# Altium PCB Electronic Load 20251104.PcbDoc (part 3 of 4)
Units mm, origin at the board's own origin, x right, y up, seen from the top; angles counter-clockwise.
Board outline 206 x 70 mm, 6 copper layers (L1, L2, L3, L4, L5, L6), stack 1.609 mm thick; 684 components, 363 nets, 1727 pads, 147 vias.
Unrouted connection lines stored in the file: 1081.
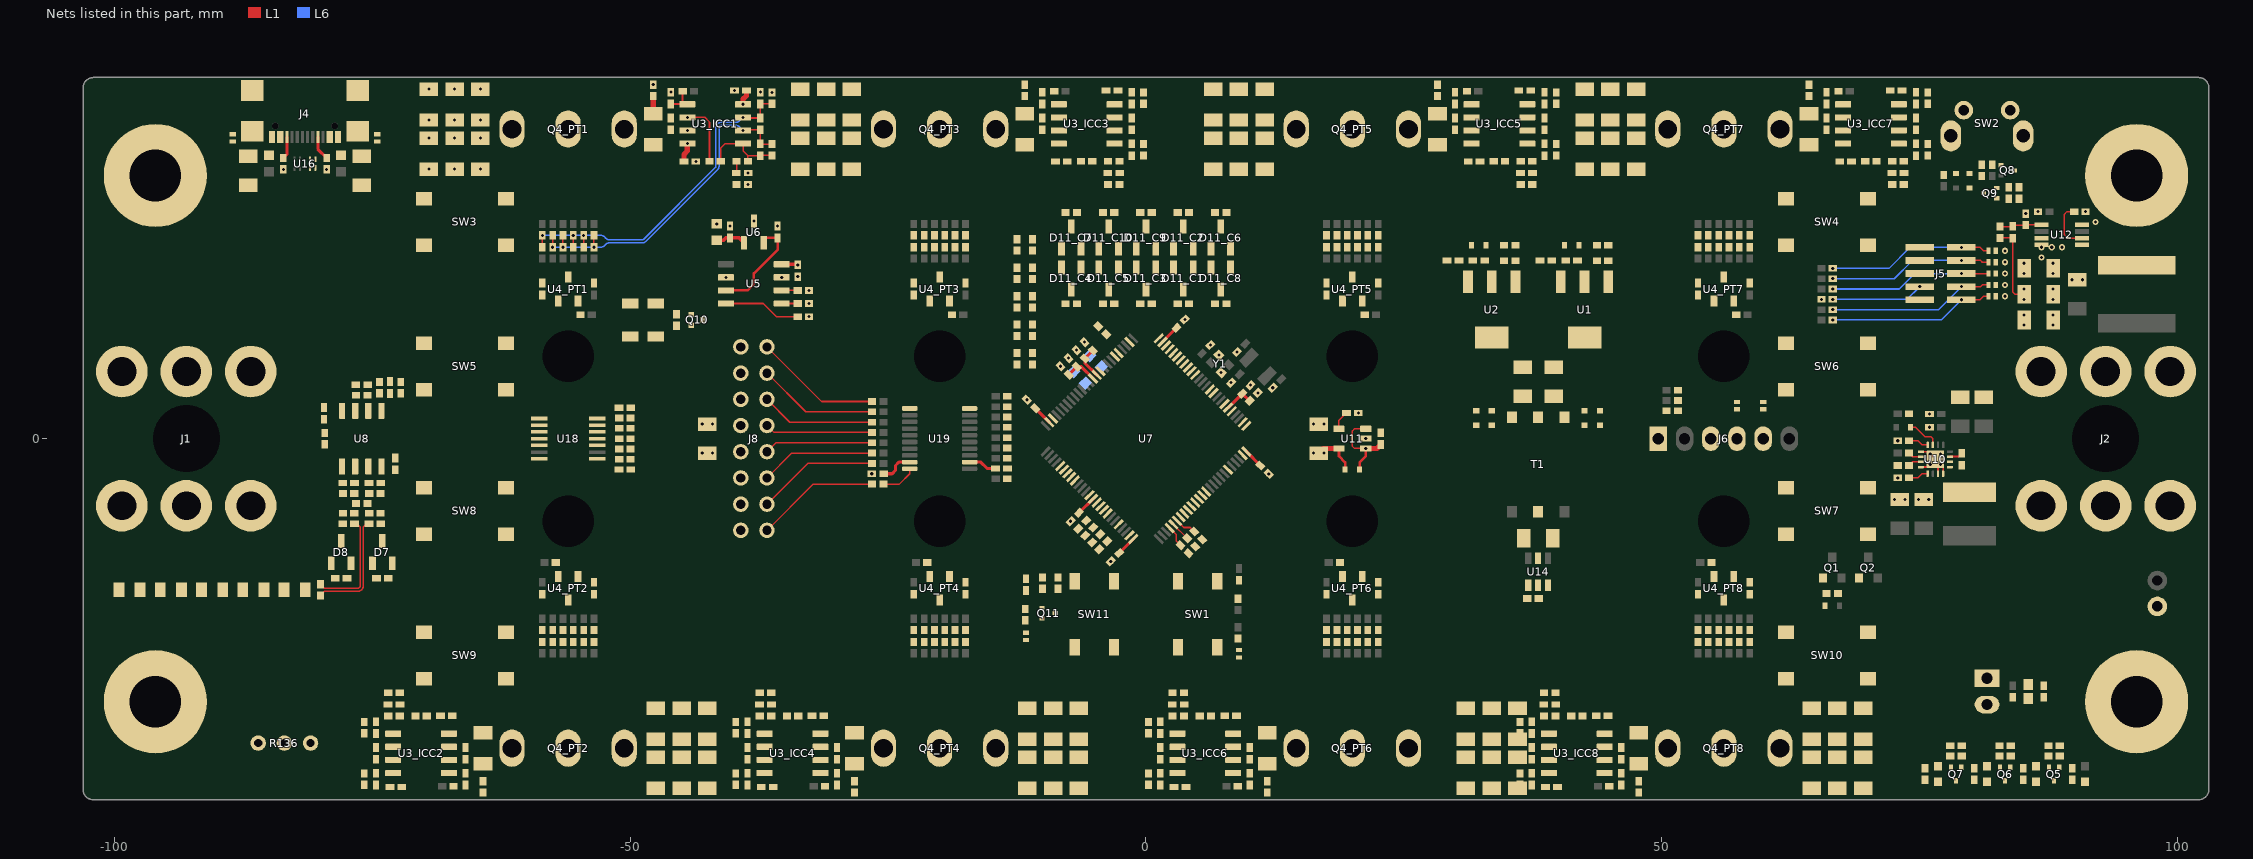
[diagram p4: the nets of this part, all layers, seen from the top]

## Part data (continued)
D20 D21 D22 D23 D24 D25 D26 D27 D28: library part DIODE,TVS,3.3V,SOD882, "20V Clamp 5A (8/20ï¿½s) Ipp Tvs Diode Surface Mount DFN1006-2", Manufacturer 1="Micro Commercial Co", Vendor 1 Part Number=ESDSLC3V3LB-TPMSCT-ND, CreatedBy="Judd Foster", HelpURL=https://www.mccsemi.com/pdf/Products/ESDSLC3V3LB(DFN1006-2).pdf, Manufacturer 1 Part Number=ESDSLC3V3LB-TP, Part Name=DIODE,TVS,3.3V,SOD882, Vendor 1=Digikey
FB1 FB2 FB3 FB4 FB5: library part FERRITE,600R@100MHz,350mA,0603, "500mÎ© Â±25% 600Î©@100MHz 0603 Ferrite Beads and Chips ROHS", Manufacturer 1=TAI-TECH, Manufacturer 1 Part Number=FCM1608KF-601T03, Vendor 1 Part Number=C141723, CreatedBy="Judd Foster", HelpURL=https://www.lcsc.com/datasheet/C141723.pdf, Part Name=FERRITE,600R@100MHz,350mA,0603, Vendor 1=LCSC
J1 J2: library part Term,Screw,M5,Top,Thru, "6 M5 Through Hole Screw Connectors ROHS", Manufacturer 1=XFCN, Vendor 1 Part Number=C19724595, CreatedBy="Judd Foster", HelpURL=https://www.lcsc.com/datasheet/C19724595.pdf, Manufacturer 1 Part Number=TT56145145-1520, Part Name=Term,Screw,M5,Top,Thru, Vendor 1=LCSC
J3: library part Conn,JST,2Pin,2.5mm,RA,Thru, "Connector Header Through Hole, Right Angle 2 position 0.098\" (2.50mm)", Manufacturer 1="JST Sales America Inc.", Vendor 1 Part Number=455-S2B-XH-A-ND, CreatedBy="Judd Foster", HelpURL=https://www.jst-mfg.com/product/pdf/eng/eXH.pdf, Manufacturer 1 Part Number=S2B-XH-A, Part Name=Conn,JST,2Pin,2.5mm,RA,Thru, Vendor 1=DigiKey
J4: library part Conn,USB-C,SMD, "USB-C (USB TYPE-C) USB 2.0 Receptacle Connector 24 (16+8 Dummy) Position Surface Mount, Right Angle", Manufacturer 1=GCT, Vendor 1 Part Number=2073-USB4110-GF-A-1-ND, CreatedBy="Judd Foster", HelpURL=https://gct.co/files/drawings/usb4110.pdf, Manufacturer 1 Part Number=USB4110-GF-A, Part Name=Conn,USB-C,SMD, Vendor 1=Digikey
J5: library part "Term,Header,5x2 Pin,Shroud,1.27mm,SMD", "Connector Header Surface Mount 10 position 0.050\" (1.27mm)", Manufacturer 1="CNC Tech", Vendor 1 Part Number=1175-1735-ND, CreatedBy="Judd Foster", HelpURL=http://www.cnctech.us/pdfs/3221-XX-0300-00_.pdf, Manufacturer 1 Part Number=3221-10-0300-00, Part Name="Term,Header,5x2 Pin,Shroud,1.27mm,SMD", Vendor 1=Digikey
J6: "Connector Header Through Hole 6 position 0.100\" (2.54mm)", Manufacturer 1="WÃ¼rth Elektronik", Manufacturer 1 Part Number=61300611121, Vendor 1 Part Number=732-5319-ND, CreatedBy="Judd Foster", HelpURL=https://www.we-online.com/components/products/datasheet/61300611121.pdf, Part Name="Term,Header,6 Pin,Top,2.54mm", Vendor 1=DigiKey
J7: "Connector Header Through Hole 2 position 0.100\" (2.54mm)", Manufacturer 1="WÃ¼rth Elektronik", Manufacturer 1 Part Number=61300211121, Vendor 1 Part Number=732-5315-ND, CreatedBy="Judd Foster", HelpURL=https://www.we-online.com/components/products/datasheet/61300211121.pdf, Part Name="Term,Header,2 Pin,Top,2.54mm", Vendor 1=DigiKey
J8: library part "Term,Rcpt,2x8 Pin,2.54mm,Top,Thru", "16 Position Header Connector 0.100\" (2.54mm) Through Hole Gold", Manufacturer 1="Sullins Connector Solutions", Vendor 1 Part Number=S7111-ND, CreatedBy="Judd Foster", HelpURL=https://mm.digikey.com/Volume0/opasdata/d220001/medias/docus/937/Female_Headers.100_DS.pdf, Manufacturer 1 Part Number=PPPC082LFBN-RC, Part Name="Term,Rcpt,2x8 Pin,2.54mm,Top,Thru", Vendor 1=DigiKey
L1: library part IND,4.7uH,4A,Wirewound,SMD, "4.7 ÂµH Shielded Drum Core, Wirewound Inductor 4 A 28.6mOhm Max Nonstandard", Manufacturer 1="Taiyo Yuden", Manufacturer 1 Part Number=NRS8030T4R7MJGJ, Vendor 1 Part Number=587-2969-1-ND, CreatedBy="Judd Foster", HelpURL=https://mm.digikey.com/Volume0/opasdata/d220001/medias/docus/610/NRS8030T4R7MJGJ_SS.pdf, Part Name=IND,4.7uH,4A,Wirewound,SMD, Vendor 1=DigiKey
L2: library part IND,1uH,30%,6A,Wirewound,SMD, "VLS6045EX-1R0N", Manufacturer 1=TDK, Vendor 1 Part Number=C404500, CreatedBy="Judd Foster", HelpURL=https://www.lcsc.com/datasheet/C404500.pdf, Manufacturer 1 Part Number=VLS6045EX-1R0N, Part Name=IND,1uH,30%,6A,Wirewound,SMD, Vendor 1=LCSC
NT1_CS1 NT1_CS2 NT1_CS3 NT1_CS4 NT1_CS5 NT1_CS6 NT1_CS7 NT1_CS8 NT2_CS1 NT2_CS2 NT2_CS3 NT2_CS4 NT2_CS5 NT2_CS6 NT2_CS7 NT2_CS8 NT3_CS1 NT3_CS2 NT3_CS3 NT3_CS4 NT3_CS5 NT3_CS6 NT3_CS7 NT3_CS8 NT4_CS1 NT4_CS2 NT4_CS3 NT4_CS4 NT4_CS5 NT4_CS6 NT4_CS7 NT4_CS8 NT5_CS1 NT5_CS2 NT5_CS3 NT5_CS4 NT5_CS5 NT5_CS6 NT5_CS7 NT5_CS8 NT6_CS1 NT6_CS2 NT6_CS3 NT6_CS4 NT6_CS5 NT6_CS6 NT6_CS7 NT6_CS8 NT7_CS1 NT7_CS2 NT7_CS3 NT7_CS4 NT7_CS5 NT7_CS6 NT7_CS7 NT7_CS8 NT8_CS1 NT8_CS2 NT8_CS3 NT8_CS4 NT8_CS5 NT8_CS6 NT8_CS7 NT8_CS8 NT9_CS1 NT9_CS2 NT9_CS3 NT9_CS4 NT9_CS5 NT9_CS6 NT9_CS7 NT9_CS8 NT10_CS1 NT10_CS2 NT10_CS3 NT10_CS4 NT10_CS5 NT10_CS6 NT10_CS7 NT10_CS8 NT11_CS1 NT11_CS2 NT11_CS3 NT11_CS4 NT11_CS5 NT11_CS6 NT11_CS7 NT11_CS8 NT12_CS1 NT12_CS2 NT12_CS3 NT12_CS4 NT12_CS5 NT12_CS6 NT12_CS7 NT12_CS8: library part NETTIE,150X300UM, "Net Tie", Manufacturer 1=N/A, CreatedBy="Judd Foster", HelpURL=N/A, Manufacturer 1 Part Number=N/A, Part Name=NETTIE,150X300UM, Vendor 1=N/A, Vendor 1 Part Number=N/A
Q1 Q2: library part "MOSFET,P Ch,30V,3.8A", "P-Channel 30 V 3.8A (Ta) 1.08W (Ta) Surface Mount SOT-23-3", Manufacturer 1="Diodes Incorporated", Vendor 1 Part Number=DMP3099L-7DICT-ND, CreatedBy="Judd Foster", HelpURL=https://www.diodes.com/assets/Datasheets/DMP3099L.pdf, Manufacturer 1 Part Number=DMP3099L-7, Part Name="MOSFET,P Ch,30V,3.8A", Vendor 1=Digikey
Q4_PT1 Q4_PT2 Q4_PT3 Q4_PT4 Q4_PT5 Q4_PT6 Q4_PT7 Q4_PT8: library part "MOSFET,N Ch,650V,66A", "650V 66A 313W 34mÎ©@10V 4V@1mA 1 N-Channel TO-247 Single FETs, MOSFETs ROHS", Manufacturer 1=GOSEMICON, Vendor 1 Part Number=C5451736, CreatedBy="Judd Foster", HelpURL=https://www.lcsc.com/datasheet/C5451736.pdf, Manufacturer 1 Part Number=GBS65041TOB, Part Name="MOSFET,N Ch,650V,66A", Vendor 1=LCSC
Q5 Q6 Q7 Q9 Q11: library part Trans,NPN,40V,600mA,SOT523, "Bipolar (BJT) Transistor NPN 40 V 600 mA 300MHz 150 mW Surface Mount SOT-523", Manufacturer 1="Diodes Incorporated", Vendor 1 Part Number=MMBT2222AT-FDICT-ND, CreatedBy="Judd Foster", HelpURL=https://media.digikey.com/pdf/Data%20Sheets/Diodes%20PDFs/MMBT2222AT_Rev2016.pdf, Manufacturer 1 Part Number=MMBT2222AT-7-F, Part Name=Trans,NPN,40V,600mA,SOT523, Vendor 1=Digikey
Q8: library part Trans,PNP,40V,600mA,SOT523, "Bipolar (BJT) Transistor PNP 40 V 600 mA 200MHz 150 mW Surface Mount SOT-523", Manufacturer 1="Diodes Incorporated", Vendor 1 Part Number=MMBT4403T-FDICT-ND, CreatedBy="Judd Foster", HelpURL=https://www.diodes.com/assets/Datasheets/ds30273.pdf, Manufacturer 1 Part Number=MMBT4403T-7-F, Part Name=Trans,PNP,40V,600mA,SOT523, Vendor 1=Digikey
Q10: library part "MOSFET,P Ch,20V,830mA", "P-Channel 20 V 830mA (Ta) 625mW (Ta) Surface Mount SC-89-3", Manufacturer 1=onsemi, Vendor 1 Part Number=FDY102PZCT-ND, CreatedBy="Judd Foster", HelpURL=https://rocelec.widen.net/view/pdf/hh954mlmw6/FAIR-S-A0000083184-1.pdf?t.download=true&u=5oefqw, Manufacturer 1 Part Number=FDY102PZ, Part Name="MOSFET,P Ch,20V,830mA", Vendor 1=Digikey
R1_ICC1 R1_ICC2 R1_ICC3 R1_ICC4 R1_ICC5 R1_ICC6 R1_ICC7 R1_ICC8 R84 R113 R116 R122 R172 R182: library part RES,0R0,0402, "0 Ohms Jumper 0.1W, 1/10W Chip Resistor 0402 (1005 Metric) Automotive AEC-Q200 Thick Film", Manufacturer 1="Panasonic Electronic Components", Manufacturer 1 Part Number=ERJ-2GE0R00X, Vendor 1 Part Number=P0.0JCT-ND, CreatedBy="Judd Foster", HelpURL=https://industrial.panasonic.com/cdbs/www-data/pdf/RDA0000/AOA0000C301.pdf, Part Name=RES,0R0,0402, Vendor 1=Digikey
R2_ICC1 R2_ICC2 R2_ICC3 R2_ICC4 R2_ICC5 R2_ICC6 R2_ICC7 R2_ICC8 R16 R180: library part RES,Omit,0402, Manufacturer 1=N/A, CreatedBy="Judd Foster", HelpURL=N/A, Manufacturer 1 Part Number=N/A, Part Name=RES,Omit,0402, Vendor 1=N/A, Vendor 1 Part Number=N/A
R3_ICC1 R3_ICC2 R3_ICC3 R3_ICC4 R3_ICC5 R3_ICC6 R3_ICC7 R3_ICC8 R4_ICC1 R4_ICC2 R4_ICC3 R4_ICC4 R4_ICC5 R4_ICC6 R4_ICC7 R4_ICC8 R7_ICC1 R7_ICC2 R7_ICC3 R7_ICC4 R7_ICC5 R7_ICC6 R7_ICC7 R7_ICC8 R8_ICC1 R8_ICC2 R8_ICC3 R8_ICC4 R8_ICC5 R8_ICC6 R8_ICC7 R8_ICC8 R11 R13 R14 R15 R17 R26_ICC1 R26_ICC2 R26_ICC3 R26_ICC4 R26_ICC5 R26_ICC6 R26_ICC7 R26_ICC8 R27_ICC1 R27_ICC2 R27_ICC3 R27_ICC4 R27_ICC5 R27_ICC6 R27_ICC7 R27_ICC8 R28_ICC1 R28_ICC2 R28_ICC3 R28_ICC4 R28_ICC5 R28_ICC6 R28_ICC7 R28_ICC8 R29_ICC1 R29_ICC2 R29_ICC3 R29_ICC4 R29_ICC5 R29_ICC6 R29_ICC7 R29_ICC8 R31_ICC1 R31_ICC2 R31_ICC3 R31_ICC4 R31_ICC5 R31_ICC6 R31_ICC7 R31_ICC8 R32_ICC1 R32_ICC2 R32_ICC3 R32_ICC4 R32_ICC5 R32_ICC6 R32_ICC7 R32_ICC8 R35_ICC1 R35_ICC2 R35_ICC3 R35_ICC4 R35_ICC5 R35_ICC6 R35_ICC7 R35_ICC8 R36_ICC1 R36_ICC2 R36_ICC3 R36_ICC4 R36_ICC5 R36_ICC6 R36_ICC7 R36_ICC8 R103: library part RES,1k,0.1%,0.063W,0402, "1 kOhms Â±0.1% 0.063W, 1/16W Chip Resistor 0402 (1005 Metric) Thin Film", Manufacturer 1=YAGEO, Manufacturer 1 Part Number=RT0402BRE071KL, Vendor 1 Part Number=YAG2306CT-ND, CreatedBy="Judd Foster", HelpURL=https://www.yageo.com/upload/media/product/app/datasheet/rchip/pyu-rt_1-to-0.01_rohs_l.pdf, Part Name=RES,1k,0.1%,0.063W,0402, Vendor 1=DigiKey
R5_CS1 R5_CS2 R5_CS3 R5_CS4 R5_CS5 R5_CS6 R5_CS7 R5_CS8 R6_CS1 R6_CS2 R6_CS3 R6_CS4 R6_CS5 R6_CS6 R6_CS7 R6_CS8 R64_CS1 R64_CS2 R64_CS3 R64_CS4 R64_CS5 R64_CS6 R64_CS7 R64_CS8 R67_CS1 R67_CS2 R67_CS3 R67_CS4 R67_CS5 R67_CS6 R67_CS7 R67_CS8 R70_CS1 R70_CS2 R70_CS3 R70_CS4 R70_CS5 R70_CS6 R70_CS7 R70_CS8 R73_CS1 R73_CS2 R73_CS3 R73_CS4 R73_CS5 R73_CS6 R73_CS7 R73_CS8: library part RES,0R02,1%,0.33W,1206, "333mW 20mÎ© 200V Â±1000ppm/â„ƒ Thick Film Resistor Â±1% 1206 Chip Resistor - Surface Mount ROHS", Manufacturer 1=UNI-ROYAL, Manufacturer 1 Part Number=1206W3F200MT5E, Vendor 1 Part Number=C2765435, CreatedBy="Judd Foster", HelpURL=https://www.lcsc.com/datasheet/C2765435.pdf, Part Name=RES,0R02,1%,0.33W,1206, Vendor 1=LCSC
R9 R117 R176 R178 R179 R181: library part RES,100k,1%,0.063W,0402, "100 kOhms Â±1% 0.063W, 1/16W Chip Resistor 0402 (1005 Metric) Moisture Resistant Thick Film", Manufacturer 1=YAGEO, Manufacturer 1 Part Number=RC0402FR-07100KL, Vendor 1 Part Number=311-100KLRCT-ND, CreatedBy="Judd Foster", HelpURL=https://www.yageo.com/upload/media/product/products/datasheet/rchip/PYu-RC_Group_51_RoHS_L_12.pdf, Part Name=RES,100k,1%,0.063W,0402, Vendor 1=DigiKey
R10 R12 R101: library part RES,10k,0.1%,0.063W,0402, "10 kOhms ï¿½0.1% 0.1W, 1/10W Chip Resistor 0402 (1005 Metric) Automotive AEC-Q200 Thin Film", Manufacturer 1="Stackpole Electronics Inc", Manufacturer 1 Part Number=RNCF0402BTE10K0, Vendor 1 Part Number=RNCF0402BTE10K0CT-ND, CreatedBy="Judd Foster", HelpURL=https://www.seielect.com/catalog/sei-rncf.pdf, Part Name=RES,10k,0.1%,0.063W,0402, Vendor 1=Digikey
R25_ICC1 R25_ICC2 R25_ICC3 R25_ICC4 R25_ICC5 R25_ICC6 R25_ICC7 R25_ICC8 R34_ICC1 R34_ICC2 R34_ICC3 R34_ICC4 R34_ICC5 R34_ICC6 R34_ICC7 R34_ICC8: library part RES,6k81,0.1%,0.063W,0402, "6.81kÎ© 62.5mW 50V Â±25ppm/â„ƒ Thin Film Resistor Â±0.1% 0402 Chip Resistor - Surface Mount RoHS", Manufacturer 1=YAGEO, Manufacturer 1 Part Number=AT0402BRD076K81L, Vendor 1 Part Number=C851098, CreatedBy="Judd Foster", HelpURL=https://www.lcsc.com/datasheet/C851098.pdf, Part Name=RES,6k81,0.1%,0.063W,0402, Vendor 1=LCSC
R30_ICC1 R30_ICC2 R30_ICC3 R30_ICC4 R30_ICC5 R30_ICC6 R30_ICC7 R30_ICC8 R33_ICC1 R33_ICC2 R33_ICC3 R33_ICC4 R33_ICC5 R33_ICC6 R33_ICC7 R33_ICC8 R82_PT1 R82_PT2 R82_PT3 R82_PT4 R82_PT5 R82_PT6 R82_PT7 R82_PT8 R88 R89 R90 R91 R92 R93 R94 R119 R120 R121 R153 R154 R155 R156 R157 R158 R159 R160 R161 R162 R163 R165 R166 R167 R183 R184: library part RES,10k,5%,0.063W,0402, "10 kOhms ï¿½5% 0.063W, 1/16W Chip Resistor 0402 (1005 Metric) Automotive AEC-Q200 Thick Film", Manufacturer 1="Stackpole Electronics Inc", Manufacturer 1 Part Number=RMCF0402JT10K0, Vendor 1 Part Number=RMCF0402JT10K0CT-ND, CreatedBy="Judd Foster", HelpURL=https://www.seielect.com/catalog/sei-rmcf_rmcp.pdf, Part Name=RES,10k,5%,0.063W,0402, Vendor 1=DIgikey
R81_PT1 R81_PT2 R81_PT3 R81_PT4 R81_PT5 R81_PT6 R81_PT7 R81_PT8: library part RES,0R0,1206, "0 Ohms Jumper Chip Resistor 1206 (3216 Metric) Automotive AEC-Q200 Thick Film", Manufacturer 1="Stackpole Electronics Inc", Manufacturer 1 Part Number=RMCF1206ZT0R00, Vendor 1 Part Number=RMCF1206ZT0R00CT-ND, CreatedBy="Judd Foster", HelpURL=https://www.seielect.com/catalog/sei-rmcf_rmcp.pdf, Part Name=RES,0R0,1206, Vendor 1=Digikey
R83_PT1 R83_PT2 R83_PT3 R83_PT4 R83_PT5 R83_PT6 R83_PT7 R83_PT8 R111_C1 R111_C2 R111_C3 R111_C4 R111_C5 R111_C6 R111_C7 R111_C8 R111_C9 R111_C10 R128: library part RES,1k,5%,0.063W,0402, "1 kOhms ï¿½5% 0.063W, 1/16W Chip Resistor 0402 (1005 Metric) Automotive AEC-Q200 Thick Film", Manufacturer 1="Stackpole Electronics Inc", Manufacturer 1 Part Number=RMCF0402JT1K00, Vendor 1 Part Number=RMCF0402JT1K00CT-ND, CreatedBy="Judd Foster", HelpURL=https://www.seielect.com/catalog/sei-rmcf_rmcp.pdf, Part Name=RES,1k,5%,0.063W,0402, Vendor 1=DIgikey
R85: library part RES,750R,1%,0.063W,0402, "750Î© 62.5mW 50V Â±100ppm/â„ƒ Thick Film Resistor Â±1% 0402 Chip Resistor - Surface Mount ROHS", Manufacturer 1=UNI-ROYAL, Manufacturer 1 Part Number=0402WGF7500TCE, Vendor 1 Part Number=C25132, CreatedBy="Judd Foster", HelpURL=https://www.lcsc.com/datasheet/C25132.pdf, Part Name=RES,750R,1%,0.063W,0402, Vendor 1=LCSC
R86: library part RES,300R,1%,0.063W,0402, "300Î© 62.5mW 50V Â±100ppm/â„ƒ Thick Film Resistor Â±1% 0402 Chip Resistor - Surface Mount ROHS", Manufacturer 1=UNI-ROYAL, Manufacturer 1 Part Number=0402WGF3000TCE, Vendor 1 Part Number=C25102, CreatedBy="Judd Foster", HelpURL=https://www.lcsc.com/datasheet/C25102.pdf, Part Name=RES,300R,1%,0.063W,0402, Vendor 1=LCSC
R87: library part RES,270R,1%,0.063W,0402, "62.5mW Thick Film Resistor 50V Â±100ppm/â„ƒ Â±1% 270Î© 0402 Chip Resistor - Surface Mount ROHS", Manufacturer 1=YAGEO, Manufacturer 1 Part Number=RC0402FR-07270RL, Vendor 1 Part Number=C163474, CreatedBy="Judd Foster", HelpURL=https://www.lcsc.com/datasheet/C163474.pdf, Part Name=RES,270R,1%,0.063W,0402, Vendor 1=LCSC
R95 R164 R168 R169 R170 R171 R173 R174 R175: library part RES,10R,1%,0.063W,0402, "10 Ohms ï¿½1% 0.063W, 1/16W Chip Resistor 0402 (1005 Metric) Automotive AEC-Q200 Thick Film", Manufacturer 1="Panasonic Electronic Components", Manufacturer 1 Part Number=ERJ-2RKF10R0X, Vendor 1 Part Number=P10.0LCT-ND, CreatedBy="Judd Foster", HelpURL=https://industrial.panasonic.com/cdbs/www-data/pdf/RDA0000/AOA0000C304.pdf, Part Name=RES,10R,1%,0.063W,0402, Vendor 1=Digikey
R96 R97 R98 R99 R100: library part RES,442k,0.1%,0.125W,0805, "442 kOhms Â±0.1% 0.125W, 1/8W Chip Resistor 0805 (2012 Metric) Automotive AEC-Q200 Thin Film", Manufacturer 1="Panasonic Electronic Components", Manufacturer 1 Part Number=ERA-6AEB4423V, Vendor 1 Part Number=P442KDACT-ND, CreatedBy="Judd Foster", HelpURL=https://industrial.panasonic.com/cdbs/www-data/pdf/RDM0000/AOA0000C307.pdf, Part Name=RES,442k,0.1%,0.125W,0805, Vendor 1=DigiKey
R112_C1 R112_C2 R112_C3 R112_C4 R112_C5 R112_C6 R112_C7 R112_C8 R112_C9 R112_C10 R131 R133 R134 R135 R137 R138 R139 R140 R141 R142 R143 R144 R145 R146 R147 R148 R149 R150 R151 R152: library part RES,49R9,1%,0.063W,0402, "49.9 Ohms Â±1% 0.063W, 1/16W Chip Resistor 0402 (1005 Metric) Moisture Resistant Thick Film", Manufacturer 1=YAGEO, Manufacturer 1 Part Number=RC0402FR-0749R9L, Vendor 1 Part Number=311-49.9LRCT-ND, CreatedBy="Judd Foster", HelpURL=https://www.yageo.com/upload/media/product/products/datasheet/rchip/PYu-RC_Group_51_RoHS_L_12.pdf, Part Name=RES,49R9,1%,0.063W,0402, Vendor 1=DigiKey
R114: library part RES,4k42,1%,0.063W,0402, "62.5mW 4.42kÎ© 50V Â±100ppm/â„ƒ Thick Film Resistor Â±1% 0402 Chip Resistor - Surface Mount ROHS", Manufacturer 1=FOJAN, Manufacturer 1 Part Number=FRC0402F4421TS, Vendor 1 Part Number=C3013170, CreatedBy="Judd Foster", HelpURL=https://www.lcsc.com/datasheet/C3013170.pdf, Part Name=RES,4k42,1%,0.063W,0402, Vendor 1=LCSC
R115: library part RES,13k2,1%,0.063W,0402, "13.2 kOhms Â±1% 0.063W, 1/16W Chip Resistor 0402 (1005 Metric) Automotive AEC-Q200, Moisture Resistant Metal Film", Manufacturer 1="KOA Speer Electronics, Inc.", Manufacturer 1 Part Number=RN73H1ETTP1322F25, Vendor 1 Part Number=2019-RN73H1ETTP1322F25CT-ND, CreatedBy="Judd Foster", HelpURL=https://www.koaspeer.com/pdfs/RN73H.pdf, Part Name=RES,13k2,1%,0.063W,0402, Vendor 1=DigiKey
R118: library part RES,21k5,1%,0.063W,0402, "21.5kÎ© 62.5mW 50V Â±100ppm/â„ƒ Thick Film Resistor Â±1% 0402 Chip Resistor - Surface Mount ROHS", Manufacturer 1=FOJAN, Manufacturer 1 Part Number=FRC0402F2152TS, Vendor 1 Part Number=C2933081, CreatedBy="Judd Foster", HelpURL=https://www.lcsc.com/datasheet/C2933081.pdf, Part Name=RES,21k5,1%,0.063W,0402, Vendor 1=LCSC
R123: library part RES,1k62,1%,0.063W,0402, "1.62 kOhms Â±1% 0.063W, 1/16W Chip Resistor 0402 (1005 Metric) Moisture Resistant Thick Film", Manufacturer 1=YAGEO, Manufacturer 1 Part Number=RC0402FR-071K62L, Vendor 1 Part Number=YAG3042CT-ND, CreatedBy="Judd Foster", HelpURL=https://www.yageo.com/upload/media/product/products/datasheet/rchip/PYu-RC_Group_51_RoHS_L_12.pdf, Part Name=RES,1k62,1%,0.063W,0402, Vendor 1=DigiKey
R124: library part RES,Thermistor,NTC,10k,3380K,0603, "10kÎ© 100mW Â±1% 310uA 3380K Â±1% 0603 NTC Thermistors ROHS", Manufacturer 1=Murata, Manufacturer 1 Part Number=NCP18XH103F03RB, Vendor 1 Part Number=C13564, CreatedBy="Judd Foster", HelpURL=https://www.lcsc.com/datasheet/C13564.pdf, Part Name=RES,Thermistor,NTC,10k,3380K,0603, Vendor 1=LCSC
R125 R127: library part RES,330R,1%,0.063W,0402, "330 Ohms Â±1% 0.063W, 1/16W Chip Resistor 0402 (1005 Metric) Moisture Resistant Thick Film", Manufacturer 1=YAGEO, Manufacturer 1 Part Number=RC0402FR-07330RL, Vendor 1 Part Number=311-330LRCT-ND, CreatedBy="Judd Foster", HelpURL=https://www.yageo.com/upload/media/product/products/datasheet/rchip/PYu-RC_Group_51_RoHS_L_12.pdf, Part Name=RES,330R,1%,0.063W,0402, Vendor 1=DigiKey
R126: library part RES,3k6,1%,0.063W,0402, "62.5mW 3.6kÎ© 50V Â±100ppm/â„ƒ Thick Film Resistor Â±1% 0402 Chip Resistor - Surface Mount ROHS", Manufacturer 1=FOJAN, Manufacturer 1 Part Number=FRC0402F3601TS, Vendor 1 Part Number=C2998073, CreatedBy="Judd Foster", HelpURL=https://www.lcsc.com/datasheet/C2998073.pdf, Part Name=RES,3k6,1%,0.063W,0402, Vendor 1=LCSC
R129 R130: library part RES,5k11,1%,0.063W,0402, "5.11 kOhms ï¿½1% 0.063W, 1/16W Chip Resistor 0402 (1005 Metric) Automotive AEC-Q200, Moisture Resistant Thick Film", Manufacturer 1=Yageo, Manufacturer 1 Part Number=AC0402FR-075K11L, Vendor 1 Part Number=13-AC0402FR-075K11LCT-ND, CreatedBy="Judd Foster", HelpURL=https://www.yageo.com/upload/media/product/productsearch/datasheet/rchip/PYu-AC_51_RoHS_L_7.pdf, Part Name=RES,5k11,1%,0.063W,0402, Vendor 1=Digikey
R132 R185: library part RES,100R,1%,0.25W,1206, "100 Ohms Â±1% 0.25W, 1/4W Chip Resistor 1206 (3216 Metric) Automotive AEC-Q200 Thick Film", Manufacturer 1="Stackpole Electronics Inc", Manufacturer 1 Part Number=RMCF1206FT100R, Vendor 1 Part Number=RMCF1206FT100RCT-ND, CreatedBy="Judd Foster", HelpURL=https://www.seielect.com/catalog/sei-rmcf_rmcp.pdf, Part Name=RES,100R,1%,0.25W,1206, Vendor 1=DigiKey
R136: library part RES,Trimmer,25T,10k,Thru, "Â±10% Â±100ppm/â„ƒ 500mW 10kÎ© SIP-3P,9.5x4.8mm Trimmer Potentiometers ROHS", Manufacturer 1=Bourns, Manufacturer 1 Part Number=3296W-1-103LF, Vendor 1 Part Number=C34846, CreatedBy="Judd Foster", HelpURL=https://www.lcsc.com/datasheet/C34846.pdf, Part Name=RES,Trimmer,25T,10k,Thru, Vendor 1=LCSC
R177: library part RES,750k,1%,0.063W,0402, "750 kOhms ï¿½1% 0.063W, 1/16W Chip Resistor 0402 (1005 Metric) Moisture Resistant Thick Film", Manufacturer 1=YAGEO, Manufacturer 1 Part Number=RC0402FR-07750KL, Vendor 1 Part Number=YAG3228CT-ND, CreatedBy="Judd Foster", HelpURL=https://www.yageo.com/upload/media/product/app/datasheet/rchip/pyu-rc_group_51_rohs_l.pdf, Part Name=RES,750k,1%,0.063W,0402, Vendor 1=Digikey
SW1 SW11: library part Switch,Tactile,SPST-NO,SMD,H1.5, "Tactile Switch SPST-NO Top Actuated Surface Mount", Manufacturer 1=C&K, Vendor 1 Part Number=CKN9104CT-ND, CreatedBy="Judd Foster", HelpURL=https://www.ckswitches.com/media/1467/pts525.pdf, Manufacturer 1 Part Number="PTS525SM15SMTR2 LFS", Part Name=Switch,Tactile,SPST-NO,SMD,H1.5, Vendor 1=Digikey
SW2: library part Switch,Tactile,SPST-NO,RA,Thru, "24V With Bracket Round Button SPST 50mA Through Hole Tactile Switches RoHS", Manufacturer 1="TE Connectivity", Vendor 1 Part Number=C2928196, CreatedBy="Judd Foster", HelpURL=https://www.lcsc.com/datasheet/C2928196.pdf, Manufacturer 1 Part Number=1825027-6, Part Name=Switch,Tactile,SPST-NO,RA,Thru, Vendor 1=LCSC
SW3 SW4 SW5 SW6 SW7 SW8 SW9 SW10: library part Switch,Tactile,SPST-NO,SMD,H4.3, "Tactile Switch SPST-NO Top Actuated Surface Mount", Manufacturer 1=C&K, Vendor 1 Part Number=CKN9084CT-ND, CreatedBy="Judd Foster", HelpURL=https://www.ckswitches.com/media/1471/pts645.pdf, Manufacturer 1 Part Number="PTS645SK43SMTR92 LFS", Part Name=Switch,Tactile,SPST-NO,SMD,H4.3, Vendor 1=Digikey
T1: library part XFR,1-3.91,Lp=320uH,750317722, "Push-Pull Converters For For DC/DC Converters SMPS Transformer 2500V Isolation 350 ~ 550kHz Surface Mount", Manufacturer 1="Wurth Elektronik", Part Name=XFR,1-3.91,Lp=320uH,750317722, Vendor 1 Part Number=732-750317722CT-ND, CreatedBy="Judd Foster", HelpURL=https://www.we-online.com/components/products/datasheet/750317722_valid_from_2025-12-17.pdf, Manufacturer 1 Part Number=750317722, Vendor 1=DigiKey
U1: library part LM317EMPX_NOPB, "80dB@(120Hz) Positive Adjustable 1.25V~37V SOT-223-4 Voltage Regulators - Linear, Low Drop Out (LDO) Regulators RoHS", Manufacturer 1="Texas Instruments", Vendor 1 Part Number=C352843, CreatedBy="Judd Foster", HelpURL=https://www.lcsc.com/datasheet/C352843.pdf, Manufacturer 1 Part Number=LM317EMPX/NOPB, Part Name=LM317EMPX_NOPB, Vendor 1=LCSC
U2: library part LM337IMPX_NOPB, "Linear Voltage Regulator IC Negative Adjustable 1 Output 1.5A SOT-223-4", Manufacturer 1="Texas Instruments", Vendor 1 Part Number=LM337IMPX/NOPBCT-ND, CreatedBy="Judd Foster", HelpURL=https://www.ti.com/lit/ds/symlink/lm137.pdf?HQS=dis-dk-null-digikeymode-dsf-pf-null-wwe&ts=1743290709590&ref_url=https%253A%252F%252Fwww.ti.com%252Fgeneral%252Fdocs%252Fsuppproductinfo.tsp%253FdistId%253D10%2526gotoUrl%253Dhttps%253A%252F%252Fwww.ti.com%2, Manufacturer 1 Part Number=LM337IMPX/NOPB, Part Name=LM337IMPX_NOPB, Vendor 1=DigiKey
U3_ICC1 U3_ICC2 U3_ICC3 U3_ICC4 U3_ICC5 U3_ICC6 U3_ICC7 U3_ICC8 U8: "35uV 18MHz 4.5nA 6.4V/us 130dB SOIC-8 Amplifiers ROHS", Manufacturer 1="Texas Instruments", Vendor 1 Part Number=C2057330, CreatedBy="Judd Foster", HelpURL=https://www.lcsc.com/datasheet/C2057330.pdf, Manufacturer 1 Part Number=OPA2209AIDR, Part Name=OPA2209AIDR, Vendor 1=LCSC
U4_PT1 U4_PT2 U4_PT3 U4_PT4 U4_PT5 U4_PT6 U4_PT7 U4_PT8: "Temperature Sensor Analog, Local -10ï¿½C ~ 125ï¿½C 19.5mV/ï¿½C SOT-23-3", Manufacturer 1="Microchip Technology", Vendor 1 Part Number=MCP9701AT-E/TTCT-ND, CreatedBy="Judd Foster", HelpURL=https://ww1.microchip.com/downloads/en/DeviceDoc/20001942G.pdf, Manufacturer 1 Part Number=MCP9701AT-E/TT, Part Name=MCP9701AT-E/TT, Vendor 1=Digikey
U5: "16 Bit Digital to Analog Converter 1 8-SOIC", Manufacturer 1="Texas Instruments", Vendor 1 Part Number=296-21738-5-ND, CreatedBy="Judd Foster", HelpURL=https://www.ti.com/lit/ds/symlink/dac8830.pdf?HQS=dis-dk-null-digikeymode-dsf-pf-null-wwe&ts=1758462298577&ref_url=https%253A%252F%252Fwww.ti.com%252Fgeneral%252Fdocs%252Fsuppproductinfo.tsp%253FdistId%253D10%2526gotoUrl%253Dhttps%253A%252F%252Fwww.ti.com, Manufacturer 1 Part Number=DAC8830ID, Part Name=DAC8830ID, Vendor 1=DigiKey
U6: "3V ï¿½0.2% 3.05V~5.5V 25mA Fixed SOT-23 Voltage References ROHS", Manufacturer 1="Texas Instruments", Vendor 1 Part Number=C38423, CreatedBy="Judd Foster", HelpURL=https://www.ti.com/lit/ds/symlink/ref3030.pdf?ts=1702271215532&ref_url=https%253A%252F%252Fwww.ti.com%252Fproduct%252FREF3030%252Fpart-details%252FREF3030AIDBZR, Manufacturer 1 Part Number=REF3030AIDBZR, Part Name=REF3030AIDBZR, Vendor 1=LCSC
U7: "ARM Cortex-M Series 170MHz 86 LQFP-100(14x14) Microcontrollers ROHS", Manufacturer 1="ST Microelectronics", Vendor 1 Part Number=C431632, CreatedBy="Judd Foster", HelpURL=https://www.st.com/en/microcontrollers-microprocessors/stm32g474ve.html, Manufacturer 1 Part Number=STM32G474VET6, Part Name=STM32G474VET6, Vendor 1=LCSC
U10: "Charger IC Lithium Ion/Polymer 16-WQFN (3x3)", Manufacturer 1="Texas Instruments", Vendor 1 Part Number=296-BQ25303JRTERCT-ND, CreatedBy="Judd Foster", HelpURL=https://www.ti.com/lit/ds/symlink/bq25303j.pdf?HQS=dis-dk-null-digikeymode-dsf-pf-null-wwe&ts=1761554135734, Manufacturer 1 Part Number=BQ25303JRTER, Part Name=BQ25303JRTER, Vendor 1=DigiKey
U11: "70dB@(10kHz) Positive Fixed 3.3V SOT-23-5 Voltage Regulators - Linear, Low Drop Out (LDO) Regulators ROHS", Manufacturer 1="Texas Instruments", Vendor 1 Part Number=C9840, CreatedBy="Judd Foster", HelpURL=https://www.lcsc.com/datasheet/C9840.pdf, Manufacturer 1 Part Number=TPS79333DBVR, Part Name=TPS79333DBVR, Vendor 1=LCSC
U12: "Boost Switching Regulator IC Positive Adjustable 2.5V 1 Output 1A 8-TSSOP, 8-MSOP (0.118\", 3.00mm Width)", Manufacturer 1="Diodes Incorporated", Vendor 1 Part Number=PAM2401SCADJDICT-ND, CreatedBy="Judd Foster", HelpURL=https://www.diodes.com/assets/Datasheets/PAM2401.pdf, Manufacturer 1 Part Number=PAM2401SCADJ, Part Name=PAM2401SCADJ, Vendor 1=DigiKey
U14: "Transformer Driver PMIC SOT-23-6", Manufacturer 1="Texas Instruments", Vendor 1 Part Number=296-47311-1-ND, CreatedBy="Judd Foster", HelpURL=https://www.ti.com/general/docs/suppproductinfo.tsp?distId=10&gotoUrl=https%3A%2F%2Fwww.ti.com%2Flit%2Fgpn%2Fsn6505a, Manufacturer 1 Part Number=SN6505BDBVR, Part Name=SN6505BDBVR, Vendor 1=DigiKey
U16: "2.5A@8/20us 14V 40W@8/20us 6.5V Unidirectional 5.5V USON-10(1x2.5) TVS Diodes ROHS", Manufacturer 1="Texas Instruments", Vendor 1 Part Number=C138714, CreatedBy="Judd Foster", HelpURL=https://www.lcsc.com/datasheet/C138714.pdf, Manufacturer 1 Part Number=TPD4E05U06DQAR, Part Name=TPD4E05U06DQAR, Vendor 1=LCSC
U18: "General Purpose Amplifier Circuit Rail-to-Rail 8-VSSOP", Manufacturer 1="Texas Instruments", Vendor 1 Part Number=296-TXU0104PWRCT-ND, CreatedBy="Judd Foster", HelpURL=http://www.ti.com/general/docs/suppproductinfo.tsp?distId=10&gotoUrl=http%3A%2F%2Fwww.ti.com%2Flit%2Fgpn%2FTXU0104, Manufacturer 1 Part Number=TXU0104PWR, Part Name=TXU0104PWR, Vendor 1=Digikey
U19: "100Mbps 1 8 TSSOP-20 Translators, Level Shifters ROHS", Manufacturer 1="Texas Instruments", Vendor 1 Part Number=C53406, CreatedBy="Judd Foster", HelpURL=https://www.lcsc.com/datasheet/C53406.pdf, Manufacturer 1 Part Number=TXB0108PWR, Part Name=TXB0108PWR, Vendor 1=LCSC
Y1: library part XTAL,24MHz,8pF,SMD, "SMD2016-4P Crystals ROHS", Manufacturer 1=NDK, Manufacturer 1 Part Number=NX2016SA-24MHZ-STD-CZS-2, Vendor 1 Part Number=C843257, CreatedBy="Judd Foster", HelpURL=https://www.lcsc.com/datasheet/C843257.pdf, Part Name=XTAL,24MHz,8pF,SMD, Vendor 1=LCSC
Y2: library part XTAL,32.768kHz,12.5pF,SMD, "Crystal Oscillator 12.5pF SMD3215-2P Crystals ROHS", Manufacturer 1=EPSON, Manufacturer 1 Part Number=Q13FC13500004, Vendor 1 Part Number=C32346, CreatedBy="Judd Foster", HelpURL=https://www.lcsc.com/datasheet/C32346.pdf, Part Name=XTAL,32.768kHz,12.5pF,SMD, Vendor 1=LCSC

## Free pads (board coordinates)
  round 10 hole 5 unplated: ""(-96,-25.5) ""(-96,25.5) ""(96,-25.5) ""(96,25.5)
  round 0 hole 5 unplated: ""(-56,-8) ""(-56,8) ""(-20,-8) ""(-20,8) ""(20,-8) ""(20,8) ""(56,-8) ""(56,8)

## Via types
v1: diameter 0.6, hole 0.3, L1 to L6, 147 vias
